# Altium PCB mainboard.PcbDoc (part 4 of 7) (continued)
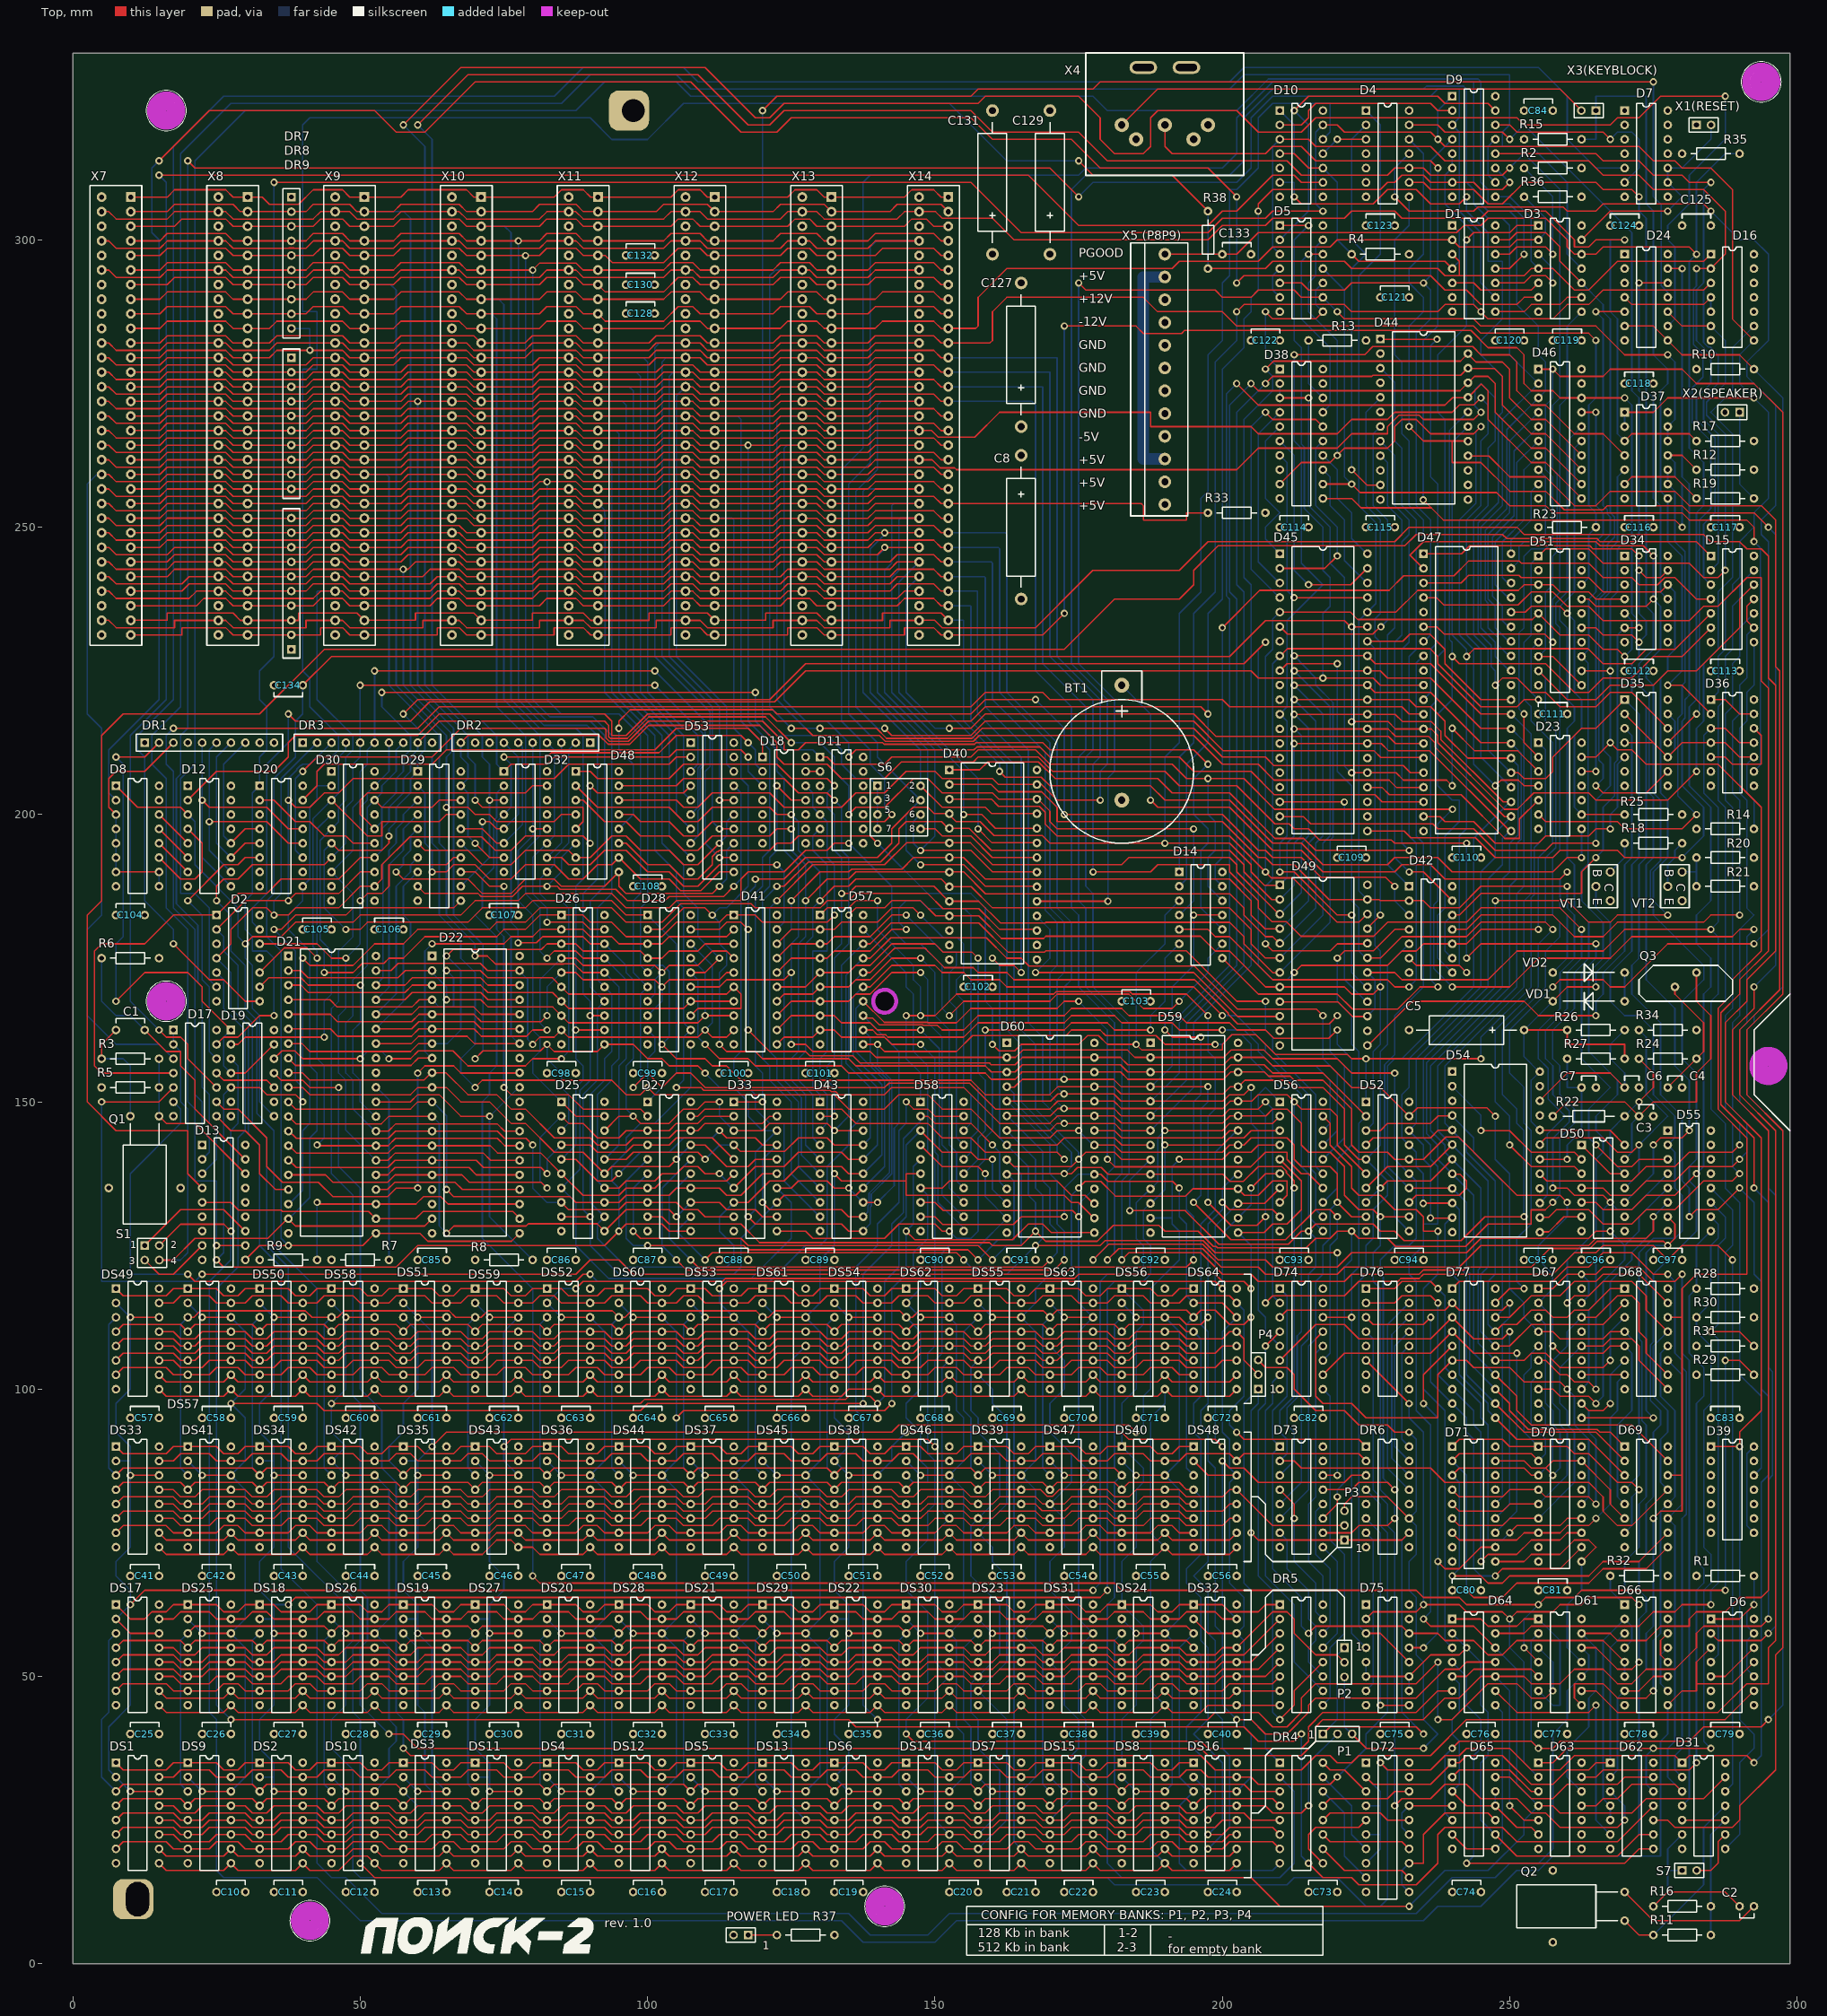
[diagram p0: Top view]
## Nets (pads, with @x,y where several pads share a name; then routed paths per layer and width w, separated by ;. In a path a pad name is that pad's centre, name@x,y a point inside that pad or via, vN(x,y) a via of type N, cw(c..) or ccw(c..) an arc to the next point about the centre after c; other vN are vias at no path point) (continued)
  Bottom w0.254: v1(124.998,200) 126.248,198.75 126.248,193.75 129.998,190 v1(129.998,185) 128.748,183.75 128.748,178.75 127.498,177.5 127.498,158.75 126.248,157.5 126.248,153.75 128.748,151.25 128.748,143.75 D43.4@129.998,142.5 ; D49.6@209.998,175 217.498,182.5 217.498,195 218.748,196.25 218.748,218.75 v1(212.498,225) ; D77.16@247.498,107.5 244.998,110 244.998,120 246.248,121.25 246.248,136.25 237.498,145 237.498,156.25 251.248,170 251.248,186.25 252.498,187.5 252.498,212.703 250.201,215 D47.28@249.998,215
LDAT3: D40.8 D43.5 D45.31 D47.27 D48.3 D49.5 D52.8 D54.7 D68.3 D77.15 | length 455
  Top w0.254: D48.3@87.498,202.5 88.75,202.5 92.5,198.75 96.25,198.75 98.75,196.25 103.75,196.25 106.25,193.75 108.75,193.75 111.25,196.25 121.25,196.25 122.5,197.5 v1(124.998,197.5) ; v1(127.498,185) 131.248,188.75 135,188.75 136.25,190 154.998,190 158.816,186.182 201.316,186.182 203.748,183.75 203.748,182.5 207.498,178.75 208.748,178.75 D49.5@209.998,177.5 ; v1(212.498,222.5) 225.302,222.5 226.552,221.25 236.25,221.25 245,212.5 D47.27@249.998,212.5 ; v1@227.499,135.001 228.748,136.25 236.248,136.25 D54.7@239.998,140 ; D77.15@247.498,105 252.498,105 253.748,106.25 256.248,106.25 258.748,103.75 266.248,103.75 v1(267.498,105)
  Bottom w0.254: v1(124.998,197.5) 124.998,193.75 127.498,191.25 v1(127.498,185) 127.498,178.75 126.248,177.5 126.248,158.75 124.998,157.5 124.998,153.75 127.498,151.25 127.498,142.5 D43.5@129.998,140 ; D49.5@209.998,177.5 216.248,183.75 216.248,195 217.498,196.25 217.498,217.5 v1(212.498,222.5) ; D52.8@225,132.5 v1(227.5,135) ; D77.15@247.498,105 244.49,108.008 244.49,120.742 244.998,121.25 244.998,135 239.998,140 238.748,141.25 238.748,142.5 236.248,145 236.248,156.25 249.998,170 249.998,187.5 251.248,188.75 251.248,194.987 251.99,195.729 251.99,210.671 250.74,211.921 D47.27@250.74,212.5 ; v1(267.498,105) 267.498,110 D68.3@269.998,112.5
LDAT4: D40.7 D43.6 D45.30 D47.26 D49.4 D52.13 D54.8 D69.15 D77.14 | length 405.5
  Top w0.254: v1(124.998,185) 129.998,190 135,190 135.508,190.508 144.256,190.508 146.28,192.532 154.966,192.532 158.748,188.75 201.248,188.75 204.998,185 204.998,182.5 207.412,180.086 209.912,180.086 D49.4@209.998,180 ; v1(212.498,220) 224.998,220 232.5,220 233.75,218.75 236.25,218.75 238.75,216.25 238.75,213.75 242.696,209.804 249.802,209.804 D47.26@249.998,210 ; D52.13@232.498,132.5 233.729,133.731 241.229,133.731 242.498,135 242.498,136.25 241.334,137.414 240.084,137.414 D54.8@239.998,137.5 ; D77.14@247.498,102.5 D77.14@247.498,102.5 251.25,98.75 251.25,96.25 253.75,93.75 271.25,93.75 D69.15@277.498,87.502
  Bottom w0.254: v1(124.998,185) 124.998,180 123.748,178.75 123.748,153.75 126.248,151.25 126.248,151.226 126.756,150.718 126.756,140.742 D43.6@129.998,137.5 ; D49.4@209.998,180 214.998,185 214.998,195 216.248,196.25 216.248,216.25 v1(212.498,220) ; D54.8@239.998,137.5 243.748,133.75 243.748,106.25 D77.14@247.498,102.5 ; D54.8@239.998,137.502 237.5,140 237.5,142.5 235.506,144.494 235.506,156.756 248.75,170 248.75,188.75 250,190 250,195 251.46,196.46 251.46,208.534 249.998,209.996 D47.26@249.998,210
LDAT5: D40.6 D43.7 D45.29 D47.23 D49.3 D52.14 D54.9 D69.1 D77.13 | length 387.3
  Top w0.254: v1(122.498,185) 128.748,191.25 141.248,191.25 145.07,195.072 156.176,195.072 159.998,191.25 182.498,191.25 183.748,192.5 201.248,192.5 202.498,191.25 202.498,190 D49.3@209.998,182.5 ; v1(212.471,217.424) 230.076,217.424 231.346,216.154 236.346,216.154 238.008,214.492 238.008,213.053 248.877,202.184 249.682,202.184 D47.23@249.998,202.5 ; D52.14@232.498,135 D54.9@239.998,135 ; D77.13@247.498,100 249.998,97.5 249.998,96.25 253.24,93.008 265.208,93.008 265.716,92.5 267.498,92.5 D69.1@269.998,90
  Bottom w0.254: v1(122.498,185) 121.248,183.75 121.248,158.75 122.498,157.5 122.498,153.75 126.248,150 126.248,138.75 D43.7@129.998,135 ; D49.3@209.998,182.5 209.998,182.693 213.748,186.443 213.748,195 214.998,196.25 214.998,215 212.574,217.424 v1(212.471,217.424) ; D52.14@232.498,135 228.748,138.75 228.748,156.25 229.998,157.5 231.248,157.5 243.748,170 243.748,195.869 249.998,202.119 D47.23@249.998,202.5 ; D54.9@239.998,135 242.498,132.5 242.498,120.718 243.006,120.21 243.006,104.492 D77.13@247.498,100
LDAT6: D40.5 D43.8 D45.28 D47.22 D49.2 D52.17 D54.10 D69.2 D77.12 | length 383.5
  Top w0.254: v1(122.498,187.5) 123.748,187.5 128.006,191.758 140.506,191.758 143.748,195 143.748,197.5 144.998,198.75 151.135,198.75 152.273,197.612 155.956,197.612 159.818,193.75 201.248,193.75 203.748,191.25 203.748,190 208.582,185.166 209.832,185.166 D49.2@209.998,185 ; v1(212.471,214.884) 228.866,214.884 230.136,213.614 235.878,213.614 236.992,212.5 236.992,211.758 249.106,199.644 249.642,199.644 D47.22@249.998,200 ; v1@234.998,132.373 D54.10@239.998,132.373 ; D77.12@247.498,97.5 252.498,92.5 264.998,92.5 D69.2@269.998,87.5
  Bottom w0.254: v1(122.498,187.5) 119.998,185 119.998,157.5 121.248,156.25 121.248,153.75 124.998,150 124.998,137.5 D43.8@129.998,132.5 ; D49.2@209.998,185 209.998,185.233 212.498,187.733 212.498,195 213.748,196.25 213.748,213.75 212.614,214.884 v1(212.471,214.884) ; D52.17@232.498,142.5 233.748,141.25 233.748,138.75 234.998,137.5 234.95,137.452 v1(234.95,132.334) ; D52.17@232.498,142.502 231.25,143.75 231.25,151.25 232.5,152.5 232.5,157.5 245,170 245,190 247.5,192.5 247.5,196.827 249.998,199.325 D47.22@249.998,200 ; D54.10@239.998,132.5 241.248,131.25 241.248,121.25 242.498,120 242.498,102.5 D77.12@247.498,97.5
LDAT7: D10.12 D40.4 D43.9 D45.27 D47.21 D49.1 D52.18 D54.11 D69.3 D77.11 | length 541.9
  Top w0.254: v1(118.748,188.75) 123.748,188.75 127.498,192.5 139.998,192.5 142.498,195 142.498,197.5 146.248,201.25 148.748,201.25 149.846,200.152 152.273,200.152 153.675,198.75 157.866,198.75 160.274,196.342 168.656,196.342 169.998,195 v1(189.998,195) 201.248,195 204.998,191.25 204.998,190 207.292,187.706 209.792,187.706 D49.1@209.998,187.5 ; v1(212.471,212.344) 227.656,212.344 228.926,211.074 236.093,211.074 249.667,197.5 D47.21@249.998,197.5 ; v1@236.248,129.746 D54.11@239.998,129.746 ; D77.11@247.498,95 251.248,91.25 263.748,91.25 D69.3@269.998,85
  Bottom w0.254: v1(118.748,188.75) 118.748,187.5 116.248,185 116.248,158.75 114.998,157.5 114.998,155 118.748,151.25 118.748,148.75 121.248,146.25 123.748,146.25 123.748,136.25 D43.9@129.998,130 ; v1@190,195.002 190,210 192.5,212.5 192.5,235 196.25,238.75 196.25,255 197.5,256.25 197.5,280 200,282.5 200,292.5 201.25,293.75 201.25,308.75 202.5,308.75 206.25,312.5 206.25,321.25 208.75,323.75 218.75,323.75 218.75,318.75 D10.12@217.498,317.5 D10.12@217.498,317.5 ; D49.1@209.998,187.5 209.998,187.773 211.248,189.023 211.248,195 212.498,196.25 212.471,196.277 v1(212.471,212.344) ; D52.18@232.498,145 234.998,142.5 234.998,140 236.248,138.75 236.22,138.722 v1(236.22,129.794) ; D52.18@232.5,145 233.75,146.25 233.75,157.5 246.25,170 246.25,188.75 248.75,191.25 248.75,195.791 249.998,197.039 D47.21@249.998,197.5 ; D54.11@239.998,130 238.748,128.75 238.748,121.25 241.248,118.75 241.248,102.5 246.248,97.5 246.248,96.25 D77.11@247.498,95
LIOR/: D34.5 D40.3 D45.5 D49.22 D51.5 | length 202.1
  Top w0.254: D40.3@152.498,202.5 152.69,202.692 159.806,202.692 161.076,201.422 168.148,201.422 169.164,200.406 169.164,198.334 171.248,196.25 201.248,196.25 v1(207.498,190) 208.522,188.976 212.272,188.976 219.998,181.25 223.748,181.25 D49.22@224.998,182.5 ; D45.5@209.998,235 210.202,235.204 222.294,235.204 223.564,233.934 253.932,233.934 D51.5@254.998,235 258.748,231.25 263.748,231.25 266.248,228.75 268.748,228.75 v1(269.998,227.5)
  Bottom w0.254: v1(207.498,190) 207.498,227.5 208.748,228.75 208.748,234.021 209.727,235 D45.5@209.998,235 ; v1(269.998,227.5) 271.248,228.75 271.248,233.75 D34.5@269.998,235
LIOS/: D17.6 D43.19 | length 183.9
  Top w0.254: v1(19.998,120) 21.248,118.75 87.498,118.75 88.748,120 v1(89.998,120)
  Bottom w0.254: D17.6@17.498,150 18.748,148.75 18.748,146.25 9.998,137.5 9.998,120 v1(19.998,120) ; v1(89.998,120) 91.248,118.75 121.248,118.75 127.498,125 129.998,125 131.248,126.25 131.248,138.75 134.998,142.5 134.998,145 D43.19@137.498,147.5
LIOW/: D4.1 D34.4 D40.2 D42.2 D45.36 D49.23 D51.3 D54.15 | length 372.7
  Top w0.254: D40.2@152.498,205 152.73,205.232 159.768,205.232 161.038,203.962 168.538,203.962 171.25,201.25 171.25,198.75 200,198.75 206.25,192.5 207.5,192.5 208.75,191.25 212.5,191.25 218.584,185.166 224.832,185.166 D49.23@224.998,185 ; D45.36@224.998,235 225.202,235.204 230.202,235.204 234.012,239.014 251.512,239.014 252.498,240 D51.3@254.998,240 257.498,240 258.748,238.75 263.748,238.75 264.998,237.5 D34.4@269.998,237.5 ; D49.23@225.238,185.214 225.286,185.166 227.291,185.166 227.457,185 D42.2@232.498,185 235,185 236.25,183.75 241.25,183.75 245,187.5 v1(260,187.5)
  Bottom w0.254: D49.23@224.998,185 224.998,185.466 223.748,186.716 223.748,233.75 224.998,235 226.695,236.697 226.695,250.803 223.748,253.75 223.748,293.75 227.498,297.5 227.498,320 D4.1@224.998,322.5 ; D54.15@254.998,132.5 255.309,132.5 256.54,133.731 256.54,144.399 259.651,147.511 256.667,150.495 256.667,155.833 255,157.5 255,162.5 258.75,166.25 258.75,172.5 261.25,175 261.25,182.5 260,183.75 v1(260,187.5)
LOCK/: D2.9 D21.29 | length 43.6
  Top w0.254: D2.9@32.498,170 32.5,170 34.077,171.577 39.673,171.577 40.943,170.307 v1(50.038,170.307)
  Bottom w0.254: v1(50.038,170.307) 50.038,163.79 48.748,162.5 48.748,155 49.998,153.75 49.998,150 D21.29@52.498,147.5
LRAM/: D55.10 D62.12 D63.1 R30.2 | length 137.3
  Top w0.254: D63.1@254.998,35 257.5,35 260,37.5 v1(275,37.5) v1(285,37.5)
  Bottom w0.254: D62.12@274.998,30 D62.12@274.998,30 273.75,31.25 273.75,36.25 v1(275,37.5) ; D55.10@284.998,130 286.248,128.75 286.248,126.25 284.998,125 284.998,115 R30.2@282.498,112.5 282.498,110.002 285,107.5 285,97.5 283.75,96.25 283.75,72.5 285,71.25 285,66.25 283.75,65 283.75,38.75 v1(285,37.5)
MAPS/: D4.12 D44.17 D61.13 D63.12 | length 389.4
  Top w0.254: v1(232.498,267.5) 234.998,265 240,265 ; D44.17@242.498,265 240,265 ; D61.13@262.498,57.5 267.5,57.5 268.75,56.25 273.75,56.25 276.25,58.75 281.25,58.75 281.25,60 282.5,61.25 287.5,61.25 290,63.75 293.75,63.75 295,65 295,145 288.75,151.25 288.75,162.5 292.5,166.25 v1(292.5,170) ; v1(295,250) 292.5,252.5 281.25,252.5 280,253.75 266.992,253.75 266.25,253.008 259.492,253.008 256.25,256.25 250,256.25 245,261.25 240,261.25 240,265
  Bottom w0.254: v1(232.498,267.5) 232.498,285 234.998,287.5 234.998,290 232.498,292.5 232.498,295 234.998,297.5 234.998,315 D4.12@232.498,317.5 ; D63.12@262.498,30 261.25,31.248 261.25,31.25 260,32.5 260,37.5 263.75,41.25 263.75,46.25 265,47.5 265,55 D61.13@262.5,57.5 ; v1(292.5,170) 296.25,173.75 296.25,248.75 v1(295,250)
MAPW/: D61.11 D70.10 D71.10 | length 42.7
  Top w0.254: D71.10@247.498,70 252.498,70 253.748,71.25 258.748,71.25 261.248,73.75 263.748,73.75 264.998,72.5 D70.10@262.498,70
  Bottom w0.254: D61.11@262.498,52.502 260,55 260,62.504 262.498,65.002 D70.10@262.498,70
MBDHS/: D58.19 D61.3 | length 271.6
  Top w0.254: v1(140,42.5) 197.5,42.5 198.75,43.75 206.25,43.75 208.75,41.25 211.25,41.25 213.75,43.75 213.75,46.25 216.25,48.75 233.75,48.75 v1(237.5,52.5) ; v1(145,150) 146.25,148.75 148.75,148.75 150,147.5 D58.19@154.998,147.5 ; v1(237.5,42.5) 240,42.5 246.25,48.75 251.25,48.75 253.75,46.25 256.25,46.25 v1(257.5,47.5)
  Bottom w0.254: v1(140,42.5) 137.5,45 137.5,95 136.25,96.25 136.25,121.25 140,125 140,128.75 143.75,132.5 143.75,145 145,146.25 v1(145,150) ; v1(237.5,42.5) v1(237.5,52.5) ; D61.3@254.998,55 255,55 257.5,52.5 v1(257.5,47.5)
MBDLS/: D56.19 D64.3 | length 109.7
  Top w0.254: D56.19@217.498,147.5 D56.19@217.498,147.5 218.75,146.25 218.75,142.5 222.5,138.75 222.5,135 223.75,133.75 227.5,133.75 230,131.25 233.748,131.25 234.998,130 234.998,127.5 v1(237.498,127.5)
  Bottom w0.254: v1(237.498,127.5) 237.498,120 234.998,117.5 234.998,100 238.748,96.25 238.748,56.25 D64.3@239.998,55
MEM0: D56.2 D59.11 DS1.2 DS1.14 DS17.2 DS17.14 DS33.2 DS33.14 DS49.2 DS49.14 | length 400.2
  Top w0.254: DS17.2@7.498,60 9.998,57.5 DS17.14@14.998,57.5 ; v1(9.998,30) DS1.14@14.998,30 ; v1(9.998,62.5) 12.498,65 v1(177.498,65) ; v1(9.998,85) DS33.14@14.998,85 ; v1(9.998,112.5) DS49.14@14.998,112.5 ; v1(189.998,145) 200,145 201.25,146.25 208.748,146.25 D56.2@209.998,147.5
  Bottom w0.254: DS33.2@7.498,87.5 9.998,87.5 ; DS49.2@7.498,115 v1(9.998,112.5) 9.998,100 7.498,97.5 7.498,92.5 9.998,90 9.998,87.5 ; v1(9.998,30) DS1.2@7.498,32.5 6.248,33.75 6.248,41.25 9.998,45 9.998,57.5 DS17.2@7.498,60 v1(9.998,62.5) 9.998,65 7.498,67.5 7.498,70 9.998,72.5 v1(9.998,85) 9.998,87.5 ; v1(177.498,65) 178.748,66.25 178.748,118.75 179.998,120 184.998,120 186.248,121.25 186.248,125 184.998,126.25 184.998,132.42 187.578,135 187.705,135 188.748,136.043 188.748,143.75 v1(189.998,145)
MEM1: D56.3 D59.12 DS2.2 DS2.14 DS18.2 DS18.14 DS34.2 DS34.14 DS50.2 DS50.14 | length 372.5
  Top w0.254: v1(34.998,30) DS2.14@39.998,30 ; v1(34.998,57.5) DS18.14@39.998,57.5 ; v1(34.998,85) DS34.14@39.998,85 ; v1(34.998,112.5) DS50.14@39.998,112.5 ; v1(37.498,62.5) 38.748,63.75 178.748,63.75 v1(179.998,65) ; v1(189.998,142.5) 200,142.5 201.25,143.75 203.748,143.75 204.998,145 D56.3@209.998,145
  Bottom w0.254: DS2.2@32.498,32.5 34.998,32.5 ; DS18.2@32.498,60 34.998,60 ; DS34.2@32.498,87.5 34.998,87.5 ; DS50.2@32.498,115 v1(34.998,112.5) 34.998,100 32.498,97.5 32.498,92.5 34.998,90 34.998,87.5 ; v1(34.998,30) 34.998,32.5 ; v1(37.498,62.5) 34.998,62.5 ; v1(179.998,65) 179.998,117.5 181.248,118.75 186.248,118.75 187.498,120 187.498,125 186.248,126.25 186.248,131.13 187.618,132.5 187.745,132.5 189.998,134.753 v1(189.998,142.5) ; 34.998,32.5 34.998,35 32.498,37.5 32.498,42.5 34.998,45 v1(34.998,57.5) 34.998,60 ; 34.998,60 34.998,62.5 ; 34.998,62.5 32.498,65 32.498,70 34.998,72.5 v1(34.998,85) 34.998,87.5
MEM2: D56.4 D59.13 DS3.2 DS3.14 DS19.2 DS19.14 DS35.2 DS35.14 DS51.2 DS51.14 | length 319.6
  Top w0.254: v1(59.998,30) DS3.14@64.998,30 ; v1(59.998,57.5) DS19.14@64.998,57.5 ; v1(59.998,85) DS35.14@64.998,85 ; v1(59.998,112.5) DS51.14@64.998,112.5 ; v1(62.498,90) 64.998,92.5 142.498,92.5 143.748,93.75 183.748,93.75 v1(184.998,92.5) ; v1(192.498,140) 200,140 201.25,141.25 204.998,141.25 206.248,142.5 D56.4@209.998,142.5
  Bottom w0.254: DS3.2@57.498,32.5 v1(59.998,30) ; DS19.2@57.498,60 59.998,60 ; DS35.2@57.498,87.5 59.998,87.5 ; DS51.2@57.498,115 v1(59.998,112.5) 62.498,110 v1(62.498,90) 59.998,87.5 ; DS3.14@64.998,30 62.498,32.5 62.498,55 v1(59.998,57.5) 59.998,60 ; v1(184.998,92.5) 186.248,93.75 186.248,98.75 187.498,100 187.498,117.5 192.498,122.5 192.498,127.5 191.248,128.75 191.248,130 ; D59.13@187.498,130 187.704,129.794 191.248,129.794 191.248,138.75 v1(192.498,140) ; 59.998,60 59.998,62.5 57.498,65 57.498,70 59.998,72.5 v1(59.998,85) 59.998,87.5
MEM3: D56.5 D59.15 DS4.2 DS4.14 DS20.2 DS20.14 DS36.2 DS36.14 DS52.2 DS52.14 | length 282.8
  Top w0.254: v1(84.998,30) DS4.14@89.998,30 ; v1(84.998,57.5) DS20.14@89.998,57.5 ; v1(84.998,85) DS36.14@89.998,85 ; v1(84.998,112.5) DS52.14@89.998,112.5 ; v1(87.498,117.5) 88.748,118.75 113.03,118.75 113.538,119.258 174.256,119.258 174.998,120 198.748,120 199.998,118.75 203.748,118.75 v1(204.998,117.5) ; D59.15@202.498,127.5 202.744,127.254 207.254,127.254 208.75,128.75 211.25,128.75 213.75,131.25 213.75,136.25 D56.5@210,140
  Bottom w0.254: DS4.2@82.498,32.5 v1(84.998,30) ; DS20.2@82.498,60 v1(84.998,57.5) ; DS36.2@82.498,87.5 v1(84.998,85) ; v1(84.998,112.5) DS52.2@82.498,115 84.998,117.5 v1(87.498,117.5) ; DS4.14@89.998,30 92.498,32.5 92.498,55 DS20.14@89.998,57.5 92.498,60 92.498,82.5 DS36.14@89.998,85 92.498,87.5 92.498,110 DS52.14@89.998,112.5 ; D59.15@202.498,127.5 204.998,125 v1(204.998,117.5)
MEM4: D56.6 D59.16 DS5.2 DS5.14 DS21.2 DS21.14 DS37.2 DS37.14 DS53.2 DS53.14 | length 243
  Top w0.254: v1(109.998,30) DS5.14@114.998,30 ; v1(109.998,57.5) DS21.14@114.998,57.5 ; v1(109.998,85) DS37.14@114.998,85 ; v1(109.998,112.5) DS53.14@114.998,112.5 ; v1(112.498,117.5) 113.748,118.75 198.748,118.75 v1(199.998,117.5) ; v1(204.998,135) 207.498,137.5 D56.6@209.998,137.5
  Bottom w0.254: DS5.2@107.498,32.5 v1(109.998,30) ; DS21.2@107.498,60 v1(109.998,57.5) ; DS37.2@107.498,87.5 v1(109.998,85) ; DS53.2@107.498,115 v1(109.998,112.5) ; v1(112.498,117.5) 112.498,115 DS53.14@114.998,112.5 117.498,110 117.498,87.5 DS37.14@114.998,85 117.498,82.5 117.498,60 DS21.14@114.998,57.5 117.498,55 117.498,32.5 DS5.14@114.998,30 ; v1(199.998,117.5) 199.998,127.1 204.998,132.1 v1(204.998,135)
MEM5: D56.7 D59.17 DS6.2 DS6.14 DS22.2 DS22.14 DS38.2 DS38.14 DS54.2 DS54.14 | length 237.7
  Top w0.254: v1(134.998,30) DS6.14@139.998,30 ; v1(134.998,57.5) DS22.14@139.998,57.5 ; v1(134.998,85) DS38.14@139.998,85 ; v1(134.998,112.5) DS54.14@139.998,112.5 ; v1(144.998,92.5) 182.498,92.5 183.748,91.25 198.748,91.25 v1(199.998,90) ; D59.17@202.498,132.5 202.664,132.334 207.332,132.334 D56.7@209.998,135
  Bottom w0.254: DS22.2@132.498,60 134.998,60 ; DS54.2@132.498,115 v1(134.998,112.5) 134.998,100 132.498,97.5 132.498,95 134.998,92.5 134.998,90 DS38.2@132.498,87.5 v1(134.998,85) 134.998,72.5 132.498,70 132.498,65 134.998,62.5 134.998,60 ; v1(134.998,30) DS6.2@132.498,32.5 134.998,35 134.998,37.5 132.498,40 132.498,42.5 134.998,45 v1(134.998,57.5) 134.998,60 ; DS38.14@139.998,85 142.498,87.5 142.498,90 v1(144.998,92.5) ; v1(199.998,90) 198.748,91.25 198.748,128.39 202.498,132.14 D59.17@202.498,132.5
MEM6: D56.8 D59.18 DS7.2 DS7.14 DS23.2 DS23.14 DS39.2 DS39.14 DS55.2 DS55.14 | length 195
  Top w0.254: v1(159.998,30) DS7.14@164.998,30 ; v1(159.998,57.5) DS23.14@164.998,57.5 ; v1(159.998,85) DS39.14@164.998,85 ; v1(159.998,112.5) DS55.14@164.998,112.5 ; v1(174.998,135) 175,135 176.144,136.144 178.856,136.144 181.396,133.604 193.604,133.604 194.874,134.874 202.692,134.874 203.816,133.75 206.248,133.75 208.748,136.25 211.248,136.25 211.248,133.75 D56.8@209.998,132.5
  Bottom w0.254: DS7.2@157.498,32.5 v1(159.998,30) ; DS23.2@157.498,60 v1(159.998,57.5) ; DS39.2@157.498,87.5 v1(159.998,85) ; DS55.2@157.498,115 v1(159.998,112.5) ; DS7.14@164.998,30 167.498,32.5 167.498,55 DS23.14@164.998,57.5 167.498,60 167.498,82.5 DS39.14@164.998,85 167.498,87.5 167.498,110 DS55.14@164.998,112.5 167.498,115 167.498,117.5 169.998,120 172.498,120 173.748,121.25 173.748,133.75 v1(174.998,135)
MEM7: D56.9 D59.19 DS8.2 DS8.14 DS24.2 DS24.14 DS40.2 DS40.14 DS56.2 DS56.14 | length 168.5
  Top w0.254: v1(184.998,30) DS8.14@189.998,30 ; v1(184.998,57.5) DS24.14@189.998,57.5 ; v1(184.998,85) DS40.14@189.998,85 ; v1(184.998,112.5) DS56.14@189.998,112.5 192.498,112.5 193.748,111.25 196.248,111.25 v1(197.498,112.5) ; v1(199.998,132.5) 201.248,131.25 208.75,131.25 209.998,130.002 D56.9@209.998,130
  Bottom w0.254: DS8.2@182.498,32.5 v1(184.998,30) ; DS24.2@182.498,60 v1(184.998,57.5) ; DS40.2@182.498,87.5 v1(184.998,85) ; DS56.2@182.498,115 v1(184.998,112.5) ; DS8.14@189.998,30 191.248,31.25 191.248,56.25 DS24.14@189.998,57.5 192.498,60 192.498,82.5 DS40.14@189.998,85 192.498,87.5 192.498,110 DS56.14@189.998,112.5 ; v1(197.498,112.5) 197.498,128.748 199.998,131.248 v1(199.998,132.5) 199.998,135 D59.19@202.498,137.5
MEM8: D58.2 D60.11 DS9.2 DS9.14 DS25.2 DS25.14 DS41.2 DS41.14 DS57.2 DS57.14 | length 313.3
  Top w0.254: v1(22.498,30) DS9.14@27.498,30 ; v1(22.498,57.5) DS25.14@27.498,57.5 ; v1(22.498,85) DS41.14@27.498,85 ; v1(22.498,112.5) DS57.14@27.498,112.5 ; v1(27.498,97.5) 42.498,97.5 43.748,96.25 98.748,96.25 99.998,97.5 v1(137.498,97.5) ; D58.2@147.498,147.5 148.75,147.5 150,146.25 156.248,146.25 v1(159.998,142.5)
  Bottom w0.254: DS9.2@19.998,32.5 v1(22.498,30) ; DS25.2@19.998,60 v1(22.498,57.5) ; DS41.2@19.998,87.5 v1(22.498,85) ; DS57.2@19.998,115 v1(22.498,112.5) ; DS9.14@27.498,30 29.998,32.5 29.998,55 DS25.14@27.498,57.5 29.998,60 29.998,82.5 DS41.14@27.498,85 29.998,87.5 29.998,95 v1(27.498,97.5) 29.998,100 29.998,110 DS57.14@27.498,112.5 ; v1(137.498,97.5) 137.498,120 142.498,125 142.498,128.75 144.49,130.742 144.49,143.591 147.498,146.599 D58.2@147.498,147.5 ; v1(159.998,142.5) 161.248,141.25 161.248,136.059 162.307,135 D60.11@162.498,135
MEM9: D58.3 D60.12 DS10.2 DS10.14 DS26.2 DS26.14 DS42.2 DS42.14 DS58.2 DS58.14 | length 292.3
  Top w0.254: v1(44.998,97.5) 98.748,97.5 99.49,98.242 134.49,98.242 134.998,98.75 138.748,98.75 v1(139.998,97.5) ; v1(47.498,30) DS10.14@52.498,30 ; v1(47.498,57.5) DS26.14@52.498,57.5 ; v1(47.498,85) DS42.14@52.498,85 ; v1(47.498,112.5) DS58.14@52.498,112.5 ; D58.3@147.498,145 151.248,141.25 156.248,141.25 157.498,140 v1(159.998,140)
  Bottom w0.254: DS10.2@44.998,32.5 v1(47.498,30) ; DS26.2@44.998,60 v1(47.498,57.5) ; DS58.2@44.998,115 v1(47.498,112.5) 47.498,100 v1(44.998,97.5) 44.998,92.5 47.498,90 DS42.2@44.998,87.5 v1(47.498,85) ; DS10.14@52.498,30 54.998,32.5 54.998,37.5 56.248,38.75 56.248,41.25 54.998,42.5 54.998,55 DS26.14@52.498,57.5 54.998,60 54.998,82.5 DS42.14@52.498,85 ; v1(139.998,97.5) 141.248,98.75 141.248,118.75 143.748,121.25 143.748,128.75 144.998,130 144.998,142.5 D58.3@147.498,145 ; v1(159.998,140) 159.998,134.769 162.267,132.5 D60.12@162.498,132.5
MEM10: D58.4 D60.13 DS11.2 DS11.14 DS27.2 DS27.14 DS43.2 DS43.14 DS59.2 DS59.14 | length 267.5
  Top w0.254: v1(72.498,30) DS11.14@77.498,30 ; v1(72.498,57.5) DS27.14@77.498,57.5 ; v1(72.498,85) DS43.14@77.498,85 ; v1(72.498,112.5) DS59.14@77.498,112.5 ; v1(74.998,90) 76.248,91.25 148.748,91.25 v1(149.998,90) ; D58.4@147.498,142.5 151.248,138.75 157.498,138.75 v1(158.748,137.5)
  Bottom w0.254: DS11.2@69.998,32.5 72.498,32.5 ; DS27.2@69.998,60 72.498,60 ; DS43.2@69.998,87.5 v1(72.498,85) 72.498,70 74.998,67.5 74.998,65 72.498,62.5 72.498,60 ; DS59.2@69.998,115 v1(72.498,112.5) ; v1(72.498,30) 72.498,32.5 ; DS43.14@77.498,85 74.998,87.5 v1(74.998,90) 74.998,110 DS59.14@77.498,112.5 ; v1(149.998,90) 149.998,105 151.248,106.25 151.248,123.75 152.498,125 157.766,125 162.496,129.731 158.748,133.479 v1(158.748,137.5) ; 72.498,32.5 72.498,35 69.998,37.5 69.998,42.5 72.498,45 v1(72.498,57.5) 72.498,60
MEM11: D58.5 D60.15 DS12.2 DS12.14 DS28.2 DS28.14 DS44.2 DS44.14 DS60.2 DS60.14 | length 241
  Top w0.254: v1(97.498,30) DS12.14@102.498,30 ; v1(97.498,57.5) DS28.14@102.498,57.5 ; v1(97.498,85) DS44.14@102.498,85 ; v1(97.498,112.5) DS60.14@102.498,112.5 ; v1(104.998,95) 106.248,96.25 141.248,96.25 v1(142.498,97.5) ; v1(144.998,127.5) 146.514,125.984 163.482,125.984 166.248,128.75 168.748,128.75 170.244,127.254 177.252,127.254 D60.15@177.498,127.5
  Bottom w0.254: DS12.2@94.998,32.5 v1(97.498,30) ; DS28.2@94.998,60 v1(97.498,57.5) ; DS44.2@94.998,87.5 v1(97.498,85) ; DS60.2@94.998,115 v1(97.498,112.5) ; DS12.14@102.498,30 104.998,32.5 104.998,55 DS28.14@102.498,57.5 104.998,60 104.998,82.5 DS44.14@102.498,85 104.998,87.5 v1(104.998,95) 104.998,110 DS60.14@102.498,112.5 ; v1(142.498,97.5) 142.498,117.5 144.998,120 v1(144.998,127.5) 146.248,128.75 146.248,138.75 D58.5@147.498,140
MEM12: D58.6 D60.16 DS13.2 DS13.14 DS29.2 DS29.14 DS45.2 DS45.14 DS61.2 DS61.14 | length 203.2
  Top w0.254: v1(122.498,30) DS13.14@127.498,30 ; v1(122.498,57.5) DS29.14@127.498,57.5 ; v1(122.498,85) DS45.14@127.498,85 ; v1(122.498,112.5) DS61.14@127.498,112.5 ; v1(132.498,137.5) 133.748,136.25 144.998,136.25 ; D58.6@147.498,137.5 144.998,137.5 144.998,136.25 ; D60.16@177.498,130 177.467,130 174.967,132.5 173.75,132.5 172.5,133.75 144.998,133.75 144.998,136.25
  Bottom w0.254: DS13.2@119.998,32.5 v1(122.498,30) ; DS29.2@119.998,60 v1(122.498,57.5) ; DS45.2@119.998,87.5 v1(122.498,85) ; DS61.2@119.998,115 v1(122.498,112.5) ; DS13.14@127.498,30 129.998,32.5 129.998,55 DS29.14@127.498,57.5 129.998,60 129.998,82.5 DS45.14@127.498,85 129.998,87.5 129.998,110 DS61.14@127.498,112.5 129.998,115 129.998,122.5 132.498,125 v1(132.498,137.5)
MEM13: D58.7 D60.17 DS14.2 DS14.14 DS30.2 DS30.14 DS46.2 DS46.14 DS62.2 DS62.14 | length 178
  Top w0.254: v1(147.498,30) DS14.14@152.498,30 ; v1(147.498,57.5) DS30.14@152.498,57.5 ; v1(147.498,85) DS46.14@152.498,85 ; v1(147.498,112.5) DS62.14@152.498,112.5 ; D58.7@147.498,135 151.25,135 152.5,136.25 171.25,136.25 173.75,133.75 176.13,133.75 177.38,132.5 D60.17@177.498,132.5
  Bottom w0.254: DS14.2@144.998,32.5 v1(147.498,30) ; DS30.2@144.998,60 v1(147.498,57.5) ; DS46.2@144.998,87.5 v1(147.498,85) ; v1(147.498,112.5) DS62.2@144.998,115 147.498,117.5 147.498,120 146.248,121.25 146.248,123.75 148.748,126.25 148.748,133.75 D58.7@147.498,135 ; DS14.14@152.498,30 154.998,32.5 154.998,40 153.748,41.25 153.748,56.25 DS30.14@152.498,57.5 154.998,60 154.998,82.5 DS46.14@152.498,85 154.998,87.5 154.998,95 153.748,96.25 153.748,111.25 DS62.14@152.498,112.5
MEM14: D58.8 D60.18 DS15.2 DS15.14 DS31.2 DS31.14 DS47.2 DS47.14 DS63.2 DS63.14 | length 177
  Top w0.254: D58.8@147.498,132.5 150,132.5 151.436,131.064 173.934,131.064 v1(174.998,130) ; v1(172.498,30) DS15.14@177.498,30 ; v1(172.498,57.5) DS31.14@177.498,57.5 ; v1(172.498,85) DS47.14@177.498,85 ; v1(172.498,112.5) DS63.14@177.498,112.5
  Bottom w0.254: DS15.2@169.998,32.5 v1(172.498,30) ; DS31.2@169.998,60 v1(172.498,57.5) ; DS47.2@169.998,87.5 v1(172.498,85) ; DS63.2@169.998,115 v1(172.498,112.5) ; DS15.14@177.498,30 174.998,32.5 174.998,35 176.248,36.25 176.248,42.5 174.998,43.75 174.998,55 DS31.14@177.498,57.5 174.998,60 174.998,82.5 DS47.14@177.498,85 174.998,87.5 174.998,110 DS63.14@177.498,112.5 174.998,115 174.998,132.199 177.498,134.699 D60.18@177.498,135
MEM15: D58.9 D60.19 DS16.2 DS16.14 DS32.2 DS32.14 DS48.2 DS48.14 DS64.2 DS64.14 | length 197.1
  Top w0.254: D58.9@147.498,130 150,130 151.349,128.651 163.649,128.651 164.998,130 v1(172.498,130) ; D60.19@177.498,137.5 177.584,137.414 178.836,137.414 180.106,136.144 191.354,136.144 v1(192.498,135) ; DS32.2@194.998,60 197.498,57.5 DS32.14@202.498,57.5 ; DS48.2@194.998,87.5 197.498,85 DS48.14@202.498,85 ; DS64.2@194.998,115 199.998,115 DS64.14@202.498,112.5 ; v1(197.498,30) DS16.14@202.498,30
  Bottom w0.254: v1(172.498,130) 172.498,135 174.912,137.414 177.412,137.414 D60.19@177.498,137.5 ; v1(192.498,135) 192.498,130 193.748,128.75 193.748,116.25 DS64.2@194.998,115 ; DS16.2@194.998,32.5 v1(197.498,30) ; DS16.14@202.498,30 204.998,32.5 204.998,40 203.748,41.25 203.748,56.25 DS32.14@202.498,57.5 203.748,58.75 203.748,63.75 201.248,66.25 201.248,83.75 DS48.14@202.498,85 201.248,86.25 201.248,91.25 199.998,92.5 199.998,110 DS64.14@202.498,112.5